# Altium PCB Taxi.PcbDoc (part 2 of 2)
Units mm, origin at the board's own origin, x right, y up, seen from the top; angles counter-clockwise.
Board outline 130 x 64 mm, 2 copper layers (Top Layer, Bottom Layer), stack 1.671 mm thick; 103 components, 82 nets, 446 pads, 196 vias.
Unrouted connection lines stored in the file: 37.
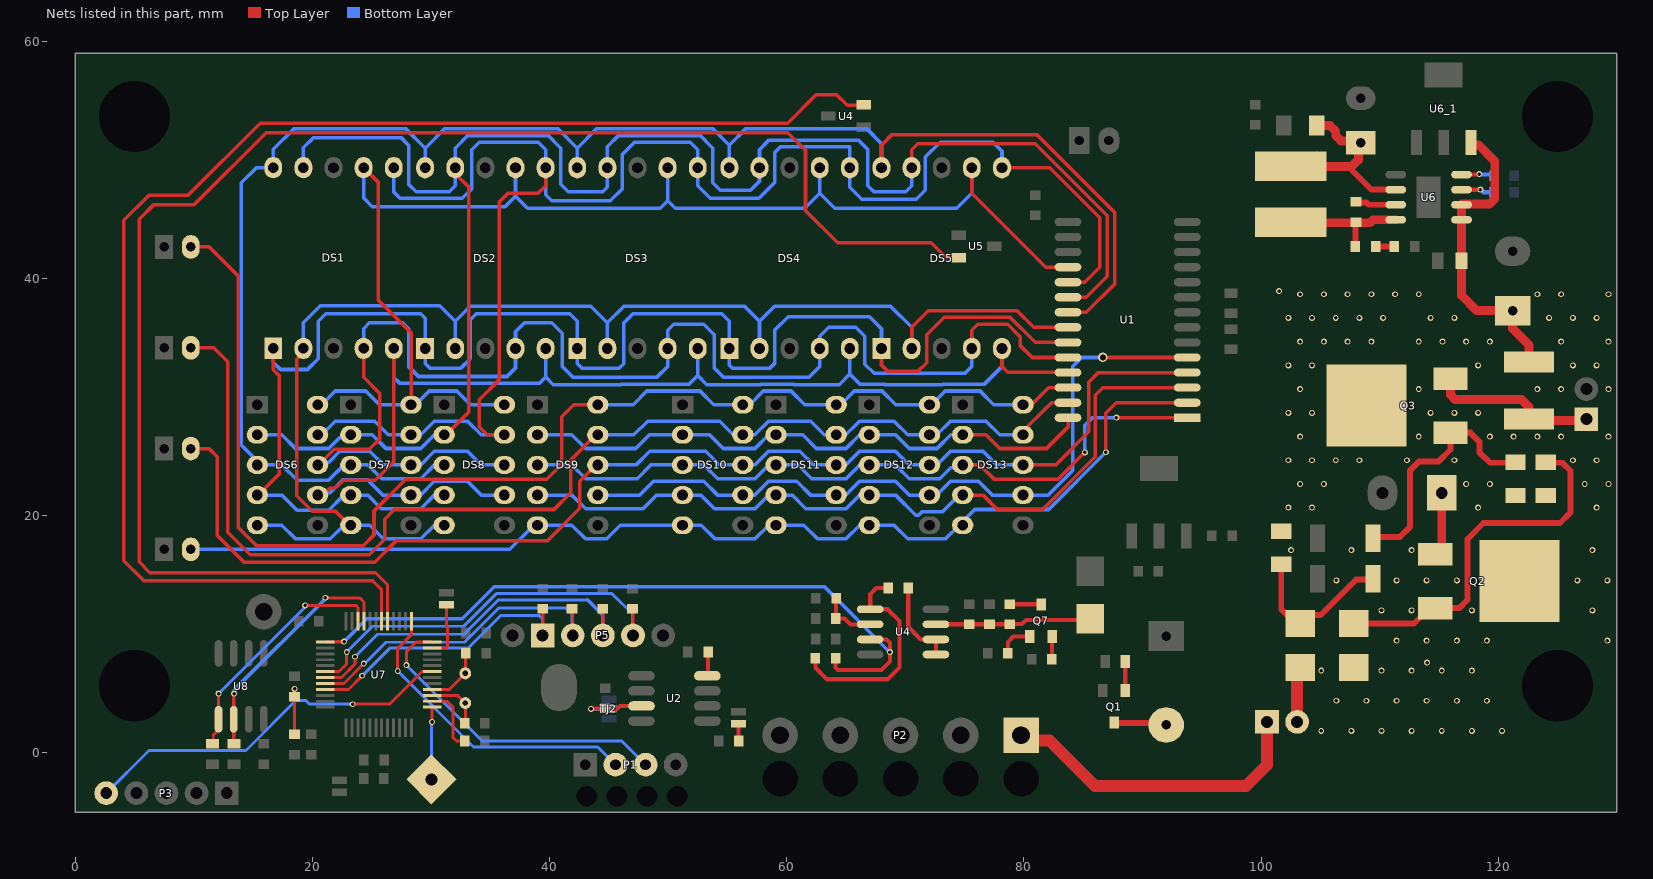
[diagram p2: the nets of this part, all layers, seen from the top]

## Via types
v1: diameter 0.5, hole 0.3, Top Layer to Bottom Layer, tented both sides, 182 vias
v2: diameter 0.5, hole 0.2, Top Layer to Bottom Layer, tented both sides, 8 vias
v3: diameter 0.5, hole 0.3, Top Layer to Bottom Layer, 2 vias
v4: diameter 0.75, hole 0.5, Top Layer to Bottom Layer, tented both sides, 2 vias
v5: diameter 0.8, hole 0.5, Top Layer to Bottom Layer, tented both sides, 2 vias

## Nets (pads, with @x,y where several pads share a name; then routed paths per layer and width w, separated by ;. In a path a pad name is that pad's centre, name@x,y a point inside that pad or via, vN(x,y) a via of type N, cw(c..) or ccw(c..) an arc to the next point about the centre after c; other vN are vias at no path point) (continued)
NetBT1_1: BT1.1 U7.1 | length 6.1
  Top Layer w0.25: v1(30.1,2.6) U7.1@30.1,3.85
  Bottom Layer w0.25: BT1.1@30.042,-2.242 30.042,2.542 v1(30.1,2.6)
NetC4_1: C4.1 L2.2 R22.1 U6.6 | length 17.9
  Top Layer w0.5: 107.65,49.45 107.65,49.15 109.312,47.488 U6.6@111.354,47.488
  Top Layer w0.75: L2.2@102.5,49.45 L2.2@103.825,49.45 ; L2.2@104.7,50.325 L2.2@103.825,49.45 ; R22.1@104.7,52.9 105.8,52.9 106.3,52.4 106.3,52.039 106.739,51.6 108.25,51.6 C4.1@108.4,51.45 108.2,51.25 108.2,50 107.65,49.45 L2.2@103.825,49.45
NetC9_1: C9.1 D9.1 R3.1 R31.1 U4.3@72.583,10.835 | length 13.2
  Top Layer w0.35: U4.3@72.583,10.835 72.591,10.843 78.792,10.843 R31.1@78.8,10.85 79.85,10.85 80.2,11.2 85.5,11.2 D9.1@85.6,11.3
NetC10_1: C10.1 C11.2 F1.2 U6.1 U6.2 U6_1.3 | length 26.1
  Top Layer w0.75: U6_1.3@117.773,51.256 118.344,51.256 119.7,49.9 119.7,46.707 119.261,46.268 116.954,46.268 116.902,46.216 116.902,44.948 116.902,41.502 C11.2@116.9,41.5 116.9,38.578 118.195,37.283 C10.1@121.205,37.283 121.205,35.759 122.602,34.362 F1.2@122.602,32.952
NetC12_2: C12.2 TJ2.2 U2.3 | length 5.9
  Top Layer w0.35: v1(43.5,3.7) 43.55,3.75 C12.2@44.7,3.75 44.75,3.7 45.7,3.7 45.954,3.954 U2.3@47.756,3.954
  Bottom Layer w0.35: v1(43.5,3.7) TJ2.2@45,3.7
NetC13_1: C13.1 Q2.1 Q3.4 R11.2 R16.1 | length 5.4
  Top Layer w0.75: Q2.1@114.7,16.76 115.236,17.296 C13.1@115.236,21.916
  other v1: 102.296,20.67 104.296,20.67 118.296,20.67 128.296,20.67 103.296,22.67 105.296,22.67 117.296,22.67 119.296,22.67 127.296,22.67 129.296,22.67 102.296,24.67 104.296,24.67 106.296,24.67 108.296,24.67 112.296,24.67 116.296,24.67 126.296,24.67 128.296,24.67 103.296,26.67 113.296,26.67 119.296,26.67 121.296,26.67 123.296,26.67 125.296,26.67 129.296,26.67 102.296,28.67 104.296,28.67 114.296,28.67 116.296,28.67 118.296,28.67 103.296,30.67 113.296,30.67 123.296,30.67 125.296,30.67 129.296,30.67 102.296,32.67 104.296,32.67 118.296,32.67 126.296,32.67 128.296,32.67 103.296,34.67 105.296,34.67 107.296,34.67 109.296,34.67 113.296,34.67 115.296,34.67 117.296,34.67 119.296,34.67 125.296,34.67 129.296,34.67 102.296,36.67 104.296,36.67 106.296,36.67 108.296,36.67 110.296,36.67 114.296,36.67 116.296,36.67 124.296,36.67 126.296,36.67 128.296,36.67 103.296,38.67 105.296,38.67 107.296,38.67 109.296,38.67 111.296,38.67 113.296,38.67 123.296,38.67 125.296,38.67 129.296,38.67 101.52,38.934
NetC17_1: C17.1 U6.7 | length 3.4
  Top Layer w0.5: C17.1@108,46.45 108.05,46.4 108.9,46.4 109.082,46.218 U6.7@111.354,46.218
NetC17_2: C17.2 L2.1 R23.2 U6.8 | length 11
  Top Layer w0.5: R23.2@107.95,42.7 107.975,42.725 107.975,44.7 107.975,44.725 C17.2@108,44.75
  Top Layer w0.75: L2.1@102.5,44.75 102.55,44.7 107.975,44.7 109.2,44.7 109.448,44.948 U6.8@111.354,44.948
NetC18_2: C18.2 R23.1 | length 1.6
  Top Layer w0.5: R23.1@109.65,42.7 C18.2@111.25,42.7
NetC21_1: C21.1 U7.3 Y1.2 | length 4.8
  Top Layer w0.25: U7.3@30.1,4.85 32.25,4.85 Y1.2@32.9,4.2 32.9,2.55 C21.1@32.85,2.5
NetC22_1: C22.1 U7.4 Y1.1 | length 5.2
  Top Layer w0.25: U7.4@30.1,5.35 31.55,5.35 Y1.1@32.9,6.7 32.9,8.35 C22.1@32.95,8.4 C22.1@33,8.35
NetD5_1: D5.1 P4.2 | length 4.8
  Top Layer w1: P4.2@103.044,2.612 103.044,6.614 D5.1@103.63,7.2
NetD5_2: D5.2 Q2.4 R9.2
  other v1: 105.076,1.85 107.616,1.85 110.156,1.85 112.696,1.85 115.236,1.85 117.776,1.85 120.316,1.85 106.346,4.39 108.886,4.39 111.426,4.39 113.966,4.39 116.506,4.39 119.046,4.39 105.076,6.93 110.156,6.93 112.696,6.93 115.236,6.93 117.776,6.93 114,7.6 111.426,9.47 113.966,9.47 116.506,9.47 119.046,9.47 129.206,9.47 110.156,12.01 112.696,12.01 117.776,12.01 127.936,12.01 106.346,14.55 111.426,14.55 113.966,14.55 116.506,14.55 126.666,14.55 129.206,14.55 102.536,17.09 107.616,17.09 112.696,17.09 127.936,17.09
NetD6_2: D6.2 D8.1 R9.1 | length 13.7
  Top Layer w0.5: R9.1@101.7,15.9 101.7,12.1 102.9,10.9 103.607,11.607 105.007,11.607 108.009,14.609 D6.2@109.585,14.609
NetD7_2: D7.2 Q3.1 R11.1 | length 20.9
  Top Layer w0.5: D7.2@109.45,18.1 109.55,18.2 111.7,18.2 112.569,19.069 112.569,23.821 113.331,24.583 114.982,24.583 115.976,25.577 Q3.1@115.976,27.002 117.643,27.002 118.411,26.234 118.411,25.345 119.297,24.459 R11.1@121.441,24.459
NetD8_2: D8.2 Q2.3 R16.2 | length 30.9
  Top Layer w0.5: D8.2@107.8,10.9 112.9,10.9 114.27,12.27 Q2.3@114.7,12.27 ; Q2.3@114.7,12.2 116.7,12.2 117.4,12.9 117.4,18.025 118.751,19.376 125.2,19.376 126.1,20.276 126.1,23.763 125.404,24.459 R16.2@124.235,24.459
NetF1_1: F1.1 P6.1 Q3.3 | length 14.3
  Top Layer w0.75: Q3.3@115.976,31.562 115.976,30.193 116.379,29.79 121.967,29.79 122.602,29.155 F1.1@122.602,28.152 ; F1.1@122.602,28.025 127.314,28.025 P6.1@127.428,28.139
NetL1_2: L1.2 Q7.2 | length 1.9
  Top Layer w0.35: L1.2@82.35,7.9 82.375,7.925 82.375,9.775 Q7.2@82.4,9.8
NetLS1_2: LS1.2 Q1.3 | length 4.5
  Top Layer w0.5: Q1.3@87.6,2.65 87.75,2.5 91.85,2.5 LS1.2@92,2.35
NetP2_1: P2.1 P4.1 | length 26.9
  Top Layer w1: P2.1@79.76,1.483 80.217,1.026 82.174,1.026 86,-2.8 98.714,-2.8 100.504,-1.01 P4.1@100.504,2.612
NetQ1_1: Q1.1 R6.1 | length 2.4
  Top Layer w0.35: Q1.1@88.55,5.35 R6.1@88.55,7.7
NetQ7_1: Q7.1 R32.2 | length 3
  Top Layer w0.35: R32.2@78.65,8.4 78.65,9.35 79.1,9.8 Q7.1@80.5,9.8
NetQ7_3: Q7.3 R31.2 | length 2.7
  Top Layer w0.35: R31.2@78.8,12.55 78.825,12.525 81.425,12.525 Q7.3@81.45,12.5
NetR7_1: R7.1 TJ4.1 | length 1.5
  Top Layer w0.35: TJ4.1@55.925,2.459 55.95,2.434 55.95,1.025 R7.1@55.937,1.012
  Top Layer w0.5: R7.1@55.937,1.012 R7.1@55.95,1
NetR8_1: R8.1 U2.8 | length 2
  Top Layer w0.35: U2.8@53.306,6.494 53.374,6.562 R8.1@53.374,8.497
NetR10_1: R10.1 R12.1 U4.6 | length 4.8
  Top Layer w0.35: R12.1@64.166,13.04 64.158,13.032 64.158,11.332 R10.1@64.15,11.324 64.876,11.324 65.365,10.835 U4.6@67.033,10.835
NetR13_2: R13.2 R33.2 U4.5 | length 18.5
  Top Layer w0.35: R13.2@62.422,7.977 62.422,7.178 63.4,6.2 68.5,6.2 69.5,7.2 69.5,11.1 68.495,12.105 U4.5@67.033,12.105 67.05,12.122 67.05,13.4 67.55,13.9 R33.2@68.55,13.9
NetR20_1: R20.1 U7.2 | length 5.6
  Top Layer w0.25: U7.2@30.1,4.35 31.35,4.35 31.85,3.85 31.85,1.316 32.166,1 R20.1@32.85,1
NetR24_2: R24.2 U6.3 | length 2.8
  Top Layer w0.35: U6.3@116.904,47.488 118.488,47.488 v1(118.5,47.5)
  Bottom Layer w0.35: v1(118.5,47.5) 118.541,47.5 118.768,47.273 R24.2@119.654,47.273
NetR25_2: R25.2 U6.4 | length 2.8
  Top Layer w0.35: U6.4@116.904,48.758 118.358,48.758 v1(118.4,48.8)
  Bottom Layer w0.35: v1(118.4,48.8) 118.429,48.771 119.556,48.771 R25.2@119.654,48.673
NetR33_1: R33.1 U4.1@72.583,8.295 U4.2@72.583,9.565 | length 7.3
  Top Layer w0.35: R33.1@70.25,13.9 70.25,10.615 71.3,9.565 U4.2@72.583,9.565 U4.1@72.583,8.295
NetTJ1_2: TJ1.2 U7.11 | length 5
  Top Layer w0.25: U7.11@30.1,8.85 31.25,8.85 31.396,8.996 31.396,10.596 31.3,10.692 TJ1.2@31.3,12.484 TJ1.2@31.4,12.384
PULSE: R13.1 U4.7 U7.25 | length 60.9
  Top Layer w0.25: U7.25@21.1,9.35 22.1,9.35
  Top Layer w0.3: 22.1,9.35 22.65,9.35 v1(22.675,9.375)
  Top Layer w0.35: R13.1@64.122,7.977 64.122,7.205 64.327,7 68,7 68.7,7.7 v1(68.7,8.492) 68.7,9.284 68.419,9.565 U4.7@67.033,9.565
  Bottom Layer w0.3: v1(22.675,9.375) 24.6,11.3 32.643,11.3 35.343,14 63.192,14 v1(68.7,8.492)
RST: C16.1 P3.5 R14.1 U7.7 | length 36.9
  Top Layer w0.25: C16.1@18.5,1.55 R14.1@18.5,4.75 v1(18.5,5.4) ; v1(23.4,4.1) 26.5,4.1 28.525,6.125 29.25,6.85 U7.7@30.1,6.85
  Bottom Layer w0.25: P3.5@2.62,-3.4 6.22,0.2 14.4,0.2 18.625,4.425 ; v1(18.5,5.4) 18.5,4.55 18.625,4.425 ; v1(23.4,4.1) 19.758,4.1 19.433,4.425 18.625,4.425
RXD: P1.2 U7.13 | length 26.3
  Top Layer w0.25: v1(27.2,6.9) 27.2,8.8 27.3,8.9 28.35,9.95 U7.13@28.35,11.1
  Bottom Layer w0.25: v1(27.2,6.9) 33.6,0.5 44.06,0.5 P1.2@45.56,-1
SCL: R5.1 U7.21 U8.6 | length 20.5
  Top Layer w0.25: v1(21.107,13.076) 23.99,13.076 24.35,12.716 U7.21@24.35,11.1
  Top Layer w0.3: R5.1@13.4,0.85 13.365,0.885 U8.6@13.365,2.833 13.365,4.965 v1(13.4,5)
  Bottom Layer w0.3: v1(13.4,5) 13.438,5.038 13.438,5.338 21.107,13.007 v1(21.107,13.076)
SDA: R4.1 U7.22 U8.5 | length 20.5
  Top Layer w0.25: R4.1@11.55,0.85 11.645,0.945 11.645,1.5 12.095,1.95 U8.5@12.095,2.833 12.095,4.995 v1(12.1,5) ; v1(19.398,12.439) 23.661,12.439 23.85,12.25 U7.22@23.85,11.1
  Bottom Layer w0.25: v1(12.1,5) 19.398,12.298 v1(19.398,12.439)
SEG1: DS1.7 DS2.7 DS3.7 DS4.7 DS5.7 DS6.10 DS7.10 DS8.10 U1.18 | length 118.3
  Top Layer w0.3: DS1.7@24.325,49.347 25.574,48.098 25.574,38.165 28.357,35.382 28.357,29.422 DS7.10@28.422,29.357 ; DS5.7@75.612,49.341 75.612,47.182 81.835,40.959 U1.18@83.723,40.959
  Bottom Layer w0.3: DS6.10@20.785,29.357 21.939,30.511 24.509,30.511 25.663,29.357 28.422,29.357 28.695,29.357 29.849,30.511 32.183,30.511 33.337,29.357 DS8.10@36.096,29.357 ; DS1.7@24.325,49.347 24.325,46.78 25.066,46.039 36.242,46.039 37.131,46.928 ; DS2.7@37.131,49.341 37.131,46.928 ; DS3.7@49.958,49.341 49.958,46.547 ; DS4.7@62.785,49.341 62.785,47.182 ; DS5.7@75.612,49.341 75.612,47.182 74.342,45.912 64.055,45.912 62.785,47.182 ; 37.131,46.928 38.147,45.912 49.323,45.912 49.958,46.547 ; 49.958,46.547 50.593,45.912 61.515,45.912 62.785,47.182
SEG2: DS1.6 DS2.6 DS3.6 DS4.6 DS5.6 DS6.9 DS7.9 DS8.9 U1.19 | length 144.3
  Top Layer w0.3: DS8.9@36.096,26.817 34.763,26.817 34.083,27.497 34.083,29.783 35.745,31.445 35.745,46.431 36.496,47.182 39.025,47.182 39.671,47.828 DS2.6@39.671,49.341 ; DS5.6@78.152,49.341 82.179,49.341 86.407,45.112 86.407,40.959 85.137,39.689 U1.19@83.723,39.689
  Bottom Layer w0.3: DS6.9@20.785,26.817 21.939,27.971 25.258,27.971 26.412,26.817 DS7.9@28.322,26.817 29.134,26.817 30.288,27.971 33.083,27.971 34.237,26.817 DS8.9@36.096,26.817 ; DS1.6@26.865,49.347 26.865,47.288 27.398,46.755 32.64,46.755 33.437,47.552 33.437,50.854 34.083,51.5 39.036,51.5 39.671,50.865 DS2.6@39.671,49.341 39.671,47.055 40.179,46.547 45.132,46.547 46.148,47.563 46.148,50.484 47.164,51.5 51.863,51.5 52.498,50.865 DS3.6@52.498,49.341 52.498,47.817 53.56,46.755 57.659,46.755 58.975,48.071 58.975,50.611 59.483,51.119 65.325,51.119 DS4.6@65.325,49.341 65.325,47.69 66.341,46.674 70.913,46.674 71.686,47.447 71.686,50.241 72.945,51.5 77.39,51.5 78.152,50.738 DS5.6@78.152,49.341
SEG3: DS1.4 DS2.4 DS3.4 DS4.4 DS5.4 DS6.8 DS7.8 DS8.8 U1.24 | length 123.2
  Top Layer w0.3: DS6.8@20.445,24.277 20.541,24.277 21.856,25.592 24.812,25.592 25.701,26.481 25.701,30.291 24.325,31.667 DS1.4@24.325,34.107 ; DS5.4@75.612,34.101 75.612,35.625 76.12,36.133 78.639,36.133 79.676,35.095 79.676,34.355 80.692,33.339 U1.24@83.723,33.339
  Bottom Layer w0.3: DS6.8@20.785,24.277 21.015,24.506 21.401,24.506 22.325,25.431 24.841,25.431 25.995,24.277 28.422,24.277 29.134,24.277 30.288,25.431 33.083,25.431 34.237,24.277 DS8.8@36.096,24.277 ; DS1.4@24.325,34.107 24.325,35.773 24.812,36.26 27.606,36.26 28.114,35.752 28.114,32.577 28.957,31.734 36.415,31.734 37.131,32.45 DS2.4@37.131,34.101 37.131,35.498 37.893,36.26 40.179,36.26 41.068,35.371 41.068,32.577 41.957,31.688 49.069,31.688 49.958,32.577 DS3.4@49.958,34.101 49.958,35.625 50.466,36.133 53.006,36.133 53.895,35.244 53.895,32.45 54.657,31.688 61.896,31.688 62.785,32.577 DS4.4@62.785,34.101 62.785,35.117 63.547,35.879 65.833,35.879 66.595,35.117 66.595,32.778 67.373,32 75.035,32 75.612,32.577 DS5.4@75.612,34.101 75.612,35.117
SEG4: DS1.2 DS2.2 DS3.2 DS4.2 DS5.2 DS6.5 DS7.5 DS8.5 U1.22 | length 118.2
  Top Layer w0.3: DS1.2@19.245,34.107 19.245,33.726 18.7,33.181 18.7,21.671 19.986,20.385 21.957,20.385 23.145,19.197 DS7.5@23.242,19.197 ; DS5.2@70.532,34.101 70.532,35.879 71.929,37.276 79.422,37.276 80.819,35.879 U1.22@83.723,35.879
  Bottom Layer w0.3: DS6.5@15.705,19.197 17.423,19.197 18.577,18.043 21.513,18.043 22.667,19.197 24.835,19.197 25.989,18.043 29.15,18.043 30.304,19.197 DS8.5@31.016,19.197 ; DS1.2@19.245,34.107 19.245,36.281 20.667,37.703 30.735,37.703 32.051,36.387 ; DS2.2@32.051,34.101 32.051,36.387 ; DS3.2@44.878,34.101 44.878,36.26 ; DS4.2@57.705,34.101 57.705,36.387 ; DS5.2@70.532,34.101 70.532,35.879 68.754,37.657 58.975,37.657 57.705,36.387 ; 32.051,36.387 33.321,37.657 43.481,37.657 44.878,36.26 ; 44.878,36.26 46.275,37.657 56.435,37.657 57.705,36.387
SEG5: DS1.1 DS2.1 DS3.1 DS4.1 DS5.1 DS6.4 DS7.4 DS8.4 U1.23 | length 134
  Top Layer w0.3: DS6.4@15.365,21.737 15.437,21.737 17.192,23.492 17.192,31.822 16.705,32.309 DS1.1@16.705,34.107 ; DS5.1@67.992,34.101 67.992,32.704 68.5,32.196 71.096,32.196 71.802,32.902 71.802,35.244 73.28,36.722 78.833,36.722 80.946,34.609 U1.23@83.723,34.609
  Bottom Layer w0.3: DS6.4@15.705,21.737 17.423,21.737 18.71,20.45 21.381,20.45 22.667,21.737 24.67,21.737 25.824,20.583 29.15,20.583 30.304,21.737 DS8.4@31.016,21.737 ; DS1.1@16.705,34.107 16.705,32.937 17.319,32.323 19.593,32.323 20.494,33.224 20.494,36.387 21.129,37.022 29.13,37.022 29.511,36.641 DS2.1@29.511,34.101 29.511,32.831 29.895,32.447 32.529,32.447 33.321,33.239 33.321,36.514 33.829,37.022 41.703,37.022 42.338,36.387 DS3.1@42.338,34.101 42.338,32.831 42.722,32.447 45.891,32.447 46.264,32.82 46.264,36.249 47.037,37.022 54.53,37.022 55.165,36.387 DS4.1@55.165,34.101 55.165,32.704 55.422,32.447 58.591,32.447 58.975,32.831 58.975,35.625 60.118,36.768 66.976,36.768 67.992,35.752 DS5.1@67.992,34.101
SEG6: DS1.9 DS2.9 DS3.9 DS4.9 DS5.9 DS6.2 DS7.2 DS8.2 U1.20 | length 152.1
  Top Layer w0.3: DS8.2@31.016,26.817 31.27,26.817 33.205,28.752 33.205,47.679 32.051,48.833 DS2.9@32.051,49.341 ; DS5.9@70.532,49.341 70.532,50.865 71.04,51.373 80.946,51.373 87.042,45.277 87.042,40.197 85.264,38.419 U1.20@83.723,38.419
  Bottom Layer w0.3: DS6.2@15.705,26.817 17.423,26.817 18.577,25.663 21.375,25.663 22.3,26.587 23.012,26.587 DS7.2@23.242,26.817 25.061,26.817 26.215,25.663 29.15,25.663 30.304,26.817 DS8.2@31.016,26.817 ; DS1.9@19.245,49.347 19.245,51.013 20.113,51.881 27.479,51.881 28.114,51.246 28.114,47.944 28.749,47.309 31.543,47.309 32.051,47.817 DS2.9@32.051,49.341 32.051,50.992 33.113,52.054 39.879,52.054 40.941,50.992 40.941,47.944 41.576,47.309 44.497,47.309 44.878,47.69 DS3.9@44.878,49.341 44.878,51.119 45.813,52.054 52.706,52.054 53.768,50.992 53.768,48.071 54.403,47.436 56.943,47.436 57.705,48.198 DS4.9@57.705,49.341 57.705,50.865 58.513,51.673 66.041,51.673 66.838,50.876 66.838,47.828 67.357,47.309 70.024,47.309 70.532,47.817 DS5.9@70.532,49.341
SEG7: DS1.10 DS2.10 DS3.10 DS4.10 DS5.10 DS6.3 DS7.3 DS8.3 U1.21 | length 145.9
  Top Layer w0.3: DS5.10@67.992,49.341 67.992,51.246 68.881,52.135 81.073,52.135 87.677,45.531 87.677,39.562 85.264,37.149 U1.21@83.723,37.149
  Bottom Layer w0.3: DS2.10@29.511,49.341 29.511,50.992 ; DS8.3@31.016,24.277 30.304,24.277 29.15,23.123 25.845,23.123 24.691,24.277 22.667,24.277 21.363,22.973 18.727,22.973 17.423,24.277 15.705,24.277 14.017,25.965 14.017,48.071 15.293,49.347 DS1.10@16.705,49.347 16.705,50.886 18.462,52.643 27.86,52.643 29.511,50.992 ; DS3.10@42.338,49.341 42.338,50.992 ; DS4.10@55.165,49.341 55.165,51.246 ; DS5.10@67.992,49.341 67.992,51.373 66.722,52.643 56.562,52.643 55.165,51.246 ; 29.511,50.992 31.162,52.643 40.687,52.643 42.338,50.992 ; 42.338,50.992 43.989,52.643 53.768,52.643 55.165,51.246
SEG8: DS1.5 DS2.5 DS3.5 DS4.5 DS5.5 DS6.7 DS7.7 DS8.7 U1.25 | length 106.8
  Top Layer w0.3: DS6.7@20.445,21.737 20.92,21.737 21.483,22.3 21.9,22.3 22.6,23 25.3,23 26.865,24.565 DS1.5@26.865,34.107 ; DS7.7@28.158,21.737 DS7.7@28.322,21.737 ; DS5.5@78.152,34.101 78.152,32.577 78.63,32.099 83.693,32.099 U1.25@83.723,32.069
  Bottom Layer w0.3: DS6.7@20.66,21.737 20.849,21.926 21.503,21.926 22.581,23.005 24.659,23.005 25.927,21.737 29.134,21.737 30.288,22.891 33.083,22.891 34.237,21.737 DS8.7@36.096,21.737 ; DS1.5@26.865,34.107 26.865,31.667 27.352,31.18 39.163,31.18 39.671,31.688 ; DS2.5@39.671,34.101 39.671,31.688 ; DS3.5@52.498,34.101 52.498,31.815 ; DS4.5@65.325,34.101 65.325,31.942 ; DS5.5@78.152,34.101 78.152,32.577 76.64,31.065 73.145,31.065 73.133,31.053 68.277,31.053 68.265,31.065 66.202,31.065 65.325,31.942 ; 39.671,31.688 40.306,31.053 46.021,31.053 46.033,31.065 51.748,31.065 52.498,31.815 ; 52.498,31.815 53.26,31.053 57.785,31.053 57.797,31.065 60.591,31.065 60.603,31.053 64.436,31.053 65.325,31.942
SEG9: D1.2 DS9.10 DS10.10 DS11.10 DS12.10 DS13.10 U1.26 | length 109.7
  Top Layer w0.3: D1.2@9.75,42.66 11.307,42.66 13.763,40.204 13.763,18.995 15.291,17.467 24.3,17.467 25.2,18.367 25.2,20.391 27.868,23.059 39.754,23.059 41.022,24.327 41.022,28.34 42.039,29.357 DS9.10@44.07,29.357 ; DS13.10@79.622,29.357 DS13.10@79.922,29.357 80.64,29.357 82.082,30.799 U1.26@83.723,30.799
  Bottom Layer w0.3: DS9.10@44.07,29.357 47.057,29.357 48.211,30.511 52.687,30.511 53.841,29.357 DS10.10@56.3,29.357 56.873,29.357 58.027,30.511 60.361,30.511 61.515,29.357 DS11.10@64.174,29.357 64.547,29.357 65.701,30.511 68.035,30.511 69.189,29.357 DS12.10@71.929,29.357 ; DS12.10@71.948,29.357 DS12.10@72.048,29.357 72.221,29.357 73.375,30.511 76.299,30.511 77.453,29.357 DS13.10@79.622,29.357
SEG10: D2.2 DS9.9 DS10.9 DS11.9 DS12.9 DS13.9 U1.27 | length 101.3
  Top Layer w0.3: D2.2@9.75,34.16 11.679,34.16 12.874,32.965 12.874,18.614 14.779,16.709 24.8,16.709 26.1,18.009 26.1,19.7 26.919,20.519 40.374,20.519 41.793,21.938 41.793,24.7 43.91,26.817 DS9.9@44.07,26.817 ; DS13.9@79.622,26.817 82.334,29.529 U1.27@83.723,29.529
  Bottom Layer w0.3: DS9.9@44.07,26.817 47.117,26.817 48.271,27.971 54.347,27.971 55.501,26.817 57.312,26.817 58.466,27.971 62.021,27.971 63.175,26.817 64.986,26.817 66.14,27.971 69.042,27.971 70.196,26.817 DS12.9@71.929,26.817 ; DS12.9@71.948,26.817 72.66,26.817 73.814,27.971 76.81,27.971 77.964,26.817 DS13.9@79.622,26.817
SEG11: D3.2 DS9.8 DS10.8 DS11.8 DS12.8 DS13.8 U1.4 | length 106.4
  Top Layer w0.3: D3.2@9.75,25.66 11.289,25.66 11.985,24.964 11.985,18.327 14.238,16.074 25.274,16.074 27.1,17.9 39.846,17.9 42.562,20.616 42.562,22.9 43.938,24.277 DS9.8@44.07,24.277 ; DS13.8@79.622,24.277 82.679,24.277 85.472,27.07 85.472,31.261 86.28,32.069 U1.4@93.773,32.069
  Bottom Layer w0.3: DS9.8@43.77,24.277 47.288,24.277 48.442,25.431 53.169,25.431 54.323,24.277 DS10.8@56.3,24.277 57.312,24.277 58.466,25.431 61.11,25.431 62.264,24.277 DS11.8@64.174,24.277 64.986,24.277 66.14,25.431 69.169,25.431 70.323,24.277 DS12.8@71.929,24.277 ; DS12.8@71.948,24.277 72.66,24.277 73.814,25.431 76.556,25.431 77.71,24.277 DS13.8@79.622,24.277
SEG12: D4.2 DS9.5 DS10.5 DS11.5 DS12.5 DS13.5 U1.2 | length 94.9
  Top Layer w0.3: v1(86.915,25.345) 86.915,28.647 87.797,29.529 U1.2@93.773,29.529
  Bottom Layer w0.3: D4.2@9.75,17.16 36.653,17.16 38.69,19.197 41.888,19.197 43.038,18.047 44.827,18.047 45.977,19.197 DS10.5@51.22,19.197 52.803,19.197 53.957,18.043 57.328,18.043 58.482,19.197 59.194,19.197 61.449,19.197 62.603,18.043 65.002,18.043 66.156,19.197 66.868,19.197 69.053,19.197 70.207,18.043 73.388,18.043 74.542,19.197 75.864,20.519 82.089,20.519 v1(86.915,25.345)
SEG13: DS9.4 DS10.4 DS11.4 DS12.4 DS13.4 U1.3 | length 67.2
  Top Layer w0.3: DS13.4@74.542,21.737 76.546,21.737 77.771,20.512 81.574,20.512 86.026,24.964 86.026,30.164 86.661,30.799 U1.3@93.773,30.799
  Bottom Layer w0.3: DS9.4@38.69,21.737 41.888,21.737 43.042,20.583 47.878,20.583 49.032,21.737 DS10.4@51.22,21.737 52.763,21.737 53.917,20.583 57.328,20.583 58.482,21.737 60.463,21.737 61.617,20.583 65.002,20.583 66.156,21.737 66.868,21.737 69.18,21.737 70.872,20.045 71.12,20.045 71.422,20.347 73.152,20.347 DS13.4@74.542,21.737
SEG14: DS9.2 DS10.2 DS11.2 DS12.2 DS13.2 U1.28 | length 50.9
  Top Layer w0.3: DS13.2@74.542,26.817 76.8,26.817 77.954,25.663 81.906,25.663 83.723,27.48 U1.28@83.723,28.259
  Bottom Layer w0.3: DS9.2@38.69,26.817 41.888,26.817 43.042,25.663 47.277,25.663 48.431,26.817 51.52,26.817 53.483,26.817 54.637,25.663 57.328,25.663 58.482,26.817 59.194,26.817 61.351,26.817 62.505,25.663 65.002,25.663 66.156,26.817 66.868,26.817 69.18,26.817 70.334,25.663 72.676,25.663 73.83,26.817 DS13.2@74.542,26.817
SEG15: DS9.3 DS10.3 DS11.3 DS12.3 DS13.3 U1.1 | length 62.9
  Top Layer w0.3: DS13.3@74.542,24.277 76.292,24.277 77.517,23.052 82.851,23.052 v1(85.137,25.338) ; v1(87.804,28.266) 93.766,28.266 U1.1@93.773,28.259
  Bottom Layer w0.3: DS9.3@38.69,24.277 41.888,24.277 43.042,23.123 47.391,23.123 48.545,24.277 DS10.3@51.22,24.277 53.023,24.277 54.177,23.123 57.328,23.123 58.482,24.277 60.97,24.277 62.124,23.123 65.002,23.123 66.156,24.277 66.868,24.277 69.18,24.277 70.334,23.123 72.9,23.123 73.824,24.047 74.313,24.047 DS13.3@74.542,24.277 ; v1(85.137,25.338) 85.137,27.624 85.779,28.266 v1(87.804,28.266)
SEG16: DS9.7 DS10.7 DS11.7 DS12.7 DS13.7 U1.5 | length 63.9
  Top Layer w0.3: v5@86.534,33.212 v5(86.661,33.339) U1.5@93.773,33.339
  Bottom Layer w0.3: DS9.7@43.77,21.737 47.612,21.737 48.766,22.891 53.009,22.891 54.163,21.737 56.6,21.737 57.312,21.737 58.466,22.891 60.851,22.891 62.005,21.737 64.274,21.737 64.986,21.737 66.14,22.891 69.169,22.891 70.323,21.737 DS12.7@71.929,21.737 ; DS12.7@71.948,21.737 72.66,21.737 73.814,22.891 76.175,22.891 77.329,21.737 79.622,21.737 82.044,21.737 84.121,23.814 84.121,32.577 84.883,33.339 v5(86.661,33.339)
SENSER1: U4.2@66.5,54.65 U7.18 | length 121.3
  Top Layer w0.25: 25.1,14.5 25.85,13.75 U7.18@25.85,11.1
  Top Layer w0.3: 25.1,14.5 5.8,14.5 4.1,16.2 4.1,44.9 6.2,47 9.5,47 15.6,53.1 60.077,53.1 62.477,55.5 64.2,55.5 65.1,54.6 66.45,54.6 U4.2@66.5,54.65
SENSER2: U5.2 U7.17 | length 133.2
  Top Layer w0.25: 25.3,15.2 26.35,14.15 U7.17@26.35,11.1
  Top Layer w0.3: 25.3,15.2 6.3,15.2 5.4,16.1 5.4,45 6.6,46.2 10,46.2 16.1,52.3 60.087,52.3 61.587,50.8 61.587,45.713 64.3,43 72.2,43 73.45,41.75 U5.2@74.5,41.75
SW1: P5.1 R17.1 U7.33 | length 24.7
  Top Layer w0.25: U7.33@21.1,5.35 23.05,5.35 v1(24.2,6.5) ; P5.1@39.42,9.9 39.438,9.918 R17.1@39.438,12.145
  Bottom Layer w0.25: v1(24.2,6.5) 26.525,8.825 33.125,8.825 35.9,11.6 39.1,11.6 39.42,11.28 P5.1@39.42,9.9
SW2: P5.2 R18.1 U7.32 | length 27.7
  Top Layer w0.25: U7.32@21.1,5.85 22.666,5.85 24.298,7.482 v1(24.335,7.519) ; R18.1@41.9,12.15 41.96,12.09 P5.2@41.96,9.9
  Bottom Layer w0.25: v1(24.335,7.519) 24.409,7.519 26.215,9.325 32.825,9.325 35.7,12.2 41.4,12.2 41.9,11.7 41.9,9.96 P5.2@41.96,9.9
SW3: P5.3 R19.1 U7.31 | length 31
  Top Layer w0.25: U7.31@21.1,6.35 22.457,6.35 23.582,7.475 23.582,8.082 v1(23.6,8.1) ; P5.3@44.5,9.9 R19.1@44.5,12.15
  Bottom Layer w0.25: v1(23.6,8.1) 25.5,10 32.793,10 35.693,12.9 43.2,12.9
  Bottom Layer w0.3: 43.2,12.9 44.5,11.6 P5.3@44.5,9.9
SW4: P5.4 R21.1 U7.30 | length 34
  Top Layer w0.25: U7.30@21.1,6.85 22.25,6.85 22.9,7.5 v1(22.9,8.5) ; R21.1@47,12.15 47.04,12.11 P5.4@47.04,9.9
  Bottom Layer w0.25: v1(22.9,8.5) 25.075,10.675 32.761,10.675 35.511,13.425 45.275,13.425 47,11.7 47,9.94 P5.4@47.04,9.9
TXD: P1.3 U7.12 | length 27.3
  Top Layer w0.25: v1(27.925,7.4) 27.925,8.525 28.75,9.35 U7.12@30.1,9.35
  Bottom Layer w0.25: v1(27.925,7.4) 34.325,1 46.1,1 P1.3@48.1,-1
pads on no net: DS1.8 DS2.8 DS3.8 DS4.8 DS5.8 DS6.6 DS7.6 DS8.6 DS9.6 DS10.6 DS11.6 DS12.6 DS13.6 U2.5 U3.4 U6_1.4 U7.5 U7.6 U7.10 U7.14 U7.20 U7.26 U7.27 U7.28 U7.29 U7.38 U7.39 U7.40 U7.41 U7.42 U7.43

## Polygon pours and split planes (outlines as drawn)
GND on Top Layer "Top Layer-No Net" (solid, remove dead copper, pour order 50): 98.345,-5 98.345,41.22 130,41.22 130,59 0,59 0,-5
NetC13_1 on Top Layer "Top Layer-No Net" (solid, remove dead copper, pour order 54): 100.25,20.265 130,20.265 130,39.95 100.25,39.95
NetD5_2 on Top Layer "Top Layer-No Net" (solid, remove dead copper, pour order 52): 100.25,-5 130,-5 130,19.63 100.25,19.63
GND on Bottom Layer "Top Layer-No Net" (solid, remove dead copper, pour order 56): 98.345,-5 98.345,41.22 129.968,41.22 129.968,59 0,59 0,-5
NetC13_1 on Bottom Layer "Top Layer-No Net" (solid, remove dead copper, pour order 60): 100.25,20.265 130,20.265 130,39.95 100.25,39.95
NetD5_2 on Bottom Layer "Top Layer-No Net" (solid, remove dead copper, pour order 58): 100.25,-5 130,-5 130,19.63 100.25,19.63

## Other copper
Top Layer:
  pour cut-out: 13.514,14 13.514,9.682 17.959,9.682 18.086,9.809 18.086,14
  pour cut-out: 72.128,3.82 72.128,-0.498 76.573,-0.498 76.7,-0.371 76.7,3.82
  pour cut-out: 72.128,3.82 72.128,-0.498 76.573,-0.498 76.7,-0.371 76.7,3.82
  text "E-Valley" at 21.383,55.698 h4
Bottom Layer:
  pour cut-out: 13.514,14 13.514,9.682 17.959,9.682 18.086,9.809 18.086,14
  pour cut-out: 72.128,3.82 72.128,-0.498 76.573,-0.498 76.7,-0.371 76.7,3.82
  pour cut-out: 72.128,3.82 72.128,-0.498 76.573,-0.498 76.7,-0.371 76.7,3.82
  pour cut-out: 72.128,3.82 72.128,-0.498 76.573,-0.498 76.7,-0.371 76.7,3.82
  pour cut-out: 72.128,3.82 72.128,-0.498 76.573,-0.498 76.7,-0.371 76.7,3.82
  text "E-Valley" at 32.383,55.698 h4
Multi-Layer:
  circle w0.254: c5,5.66 r4.75
  circle w0.254: c125,5.66 r4.75
  circle w0.254: c125,53.66 r4.75
  circle w0.254: c5,53.66 r4.75
  circle w0.254: c5,53.66 r4.75
  circle w0.254: c125,53.66 r4.75
  circle w0.254: c125,5.66 r4.75
  circle w0.254: c5,5.66 r4.75

## Silkscreen, mask and mechanical layers (free items; w line width, h text height)
Top Overlay:
  drawing of 7683 lines, arcs and shapes, not listed
  text "VER 8.2" at 35.988,54.809 h1.52
  text "MODEL-999" at 2.714,33.346 h1.52 r90
  text "MARUTI METER" at 2.714,15.185 h1.52 r90
  text "H" at 59,3.7 h1.52
  text "L" at 64,3.7 h1.52
  text "SIG" at 67.5,3.7 h1.52
  text "GND" at 73,3.7 h1.52
  text "12V" at 78,3.7 h1.52
Bottom Overlay:
  drawing of 7695 lines, arcs and shapes, not listed
  text "VER 8.2" at 44.624,54.936 h1.52
  text "1" at 125.148,13.214 h1.25
  text "8" at 105.489,13.175 h1.25
  text "6" at 111.166,13.166 h1.25
  text "3" at 119.667,13.175 h1.25
  text "2" at 122.52,13.169 h1.25
  text "5" at 114.018,13.157 h1.25
  text "7" at 108.295,13.133 h1.25
  text "4" at 116.861,13.133 h1.25
  text "12" at 117.1,11.601 h1.25
  text "11" at 119.933,11.601 h1.25
  text "10" at 122.776,11.598 h1.25
  text "9" at 125.17,11.607 h1.25
  text "23" at 115.182,11.197 h1.25
  text "26" at 106.67,11.182 h1.25
  text "25" at 109.535,11.168 h1.25
  text "24" at 112.35,11.175 h1.25
Mechanical 1:
  the board outline again, w0.5